# KiCad board panel.kicad_pcb
title: SMPBR - Fluorometer LED 10W; date: 2024-11-22; rev: ${VERSION}; company: TrendBit s.r.o.; note: Designed by: Petr Malaník
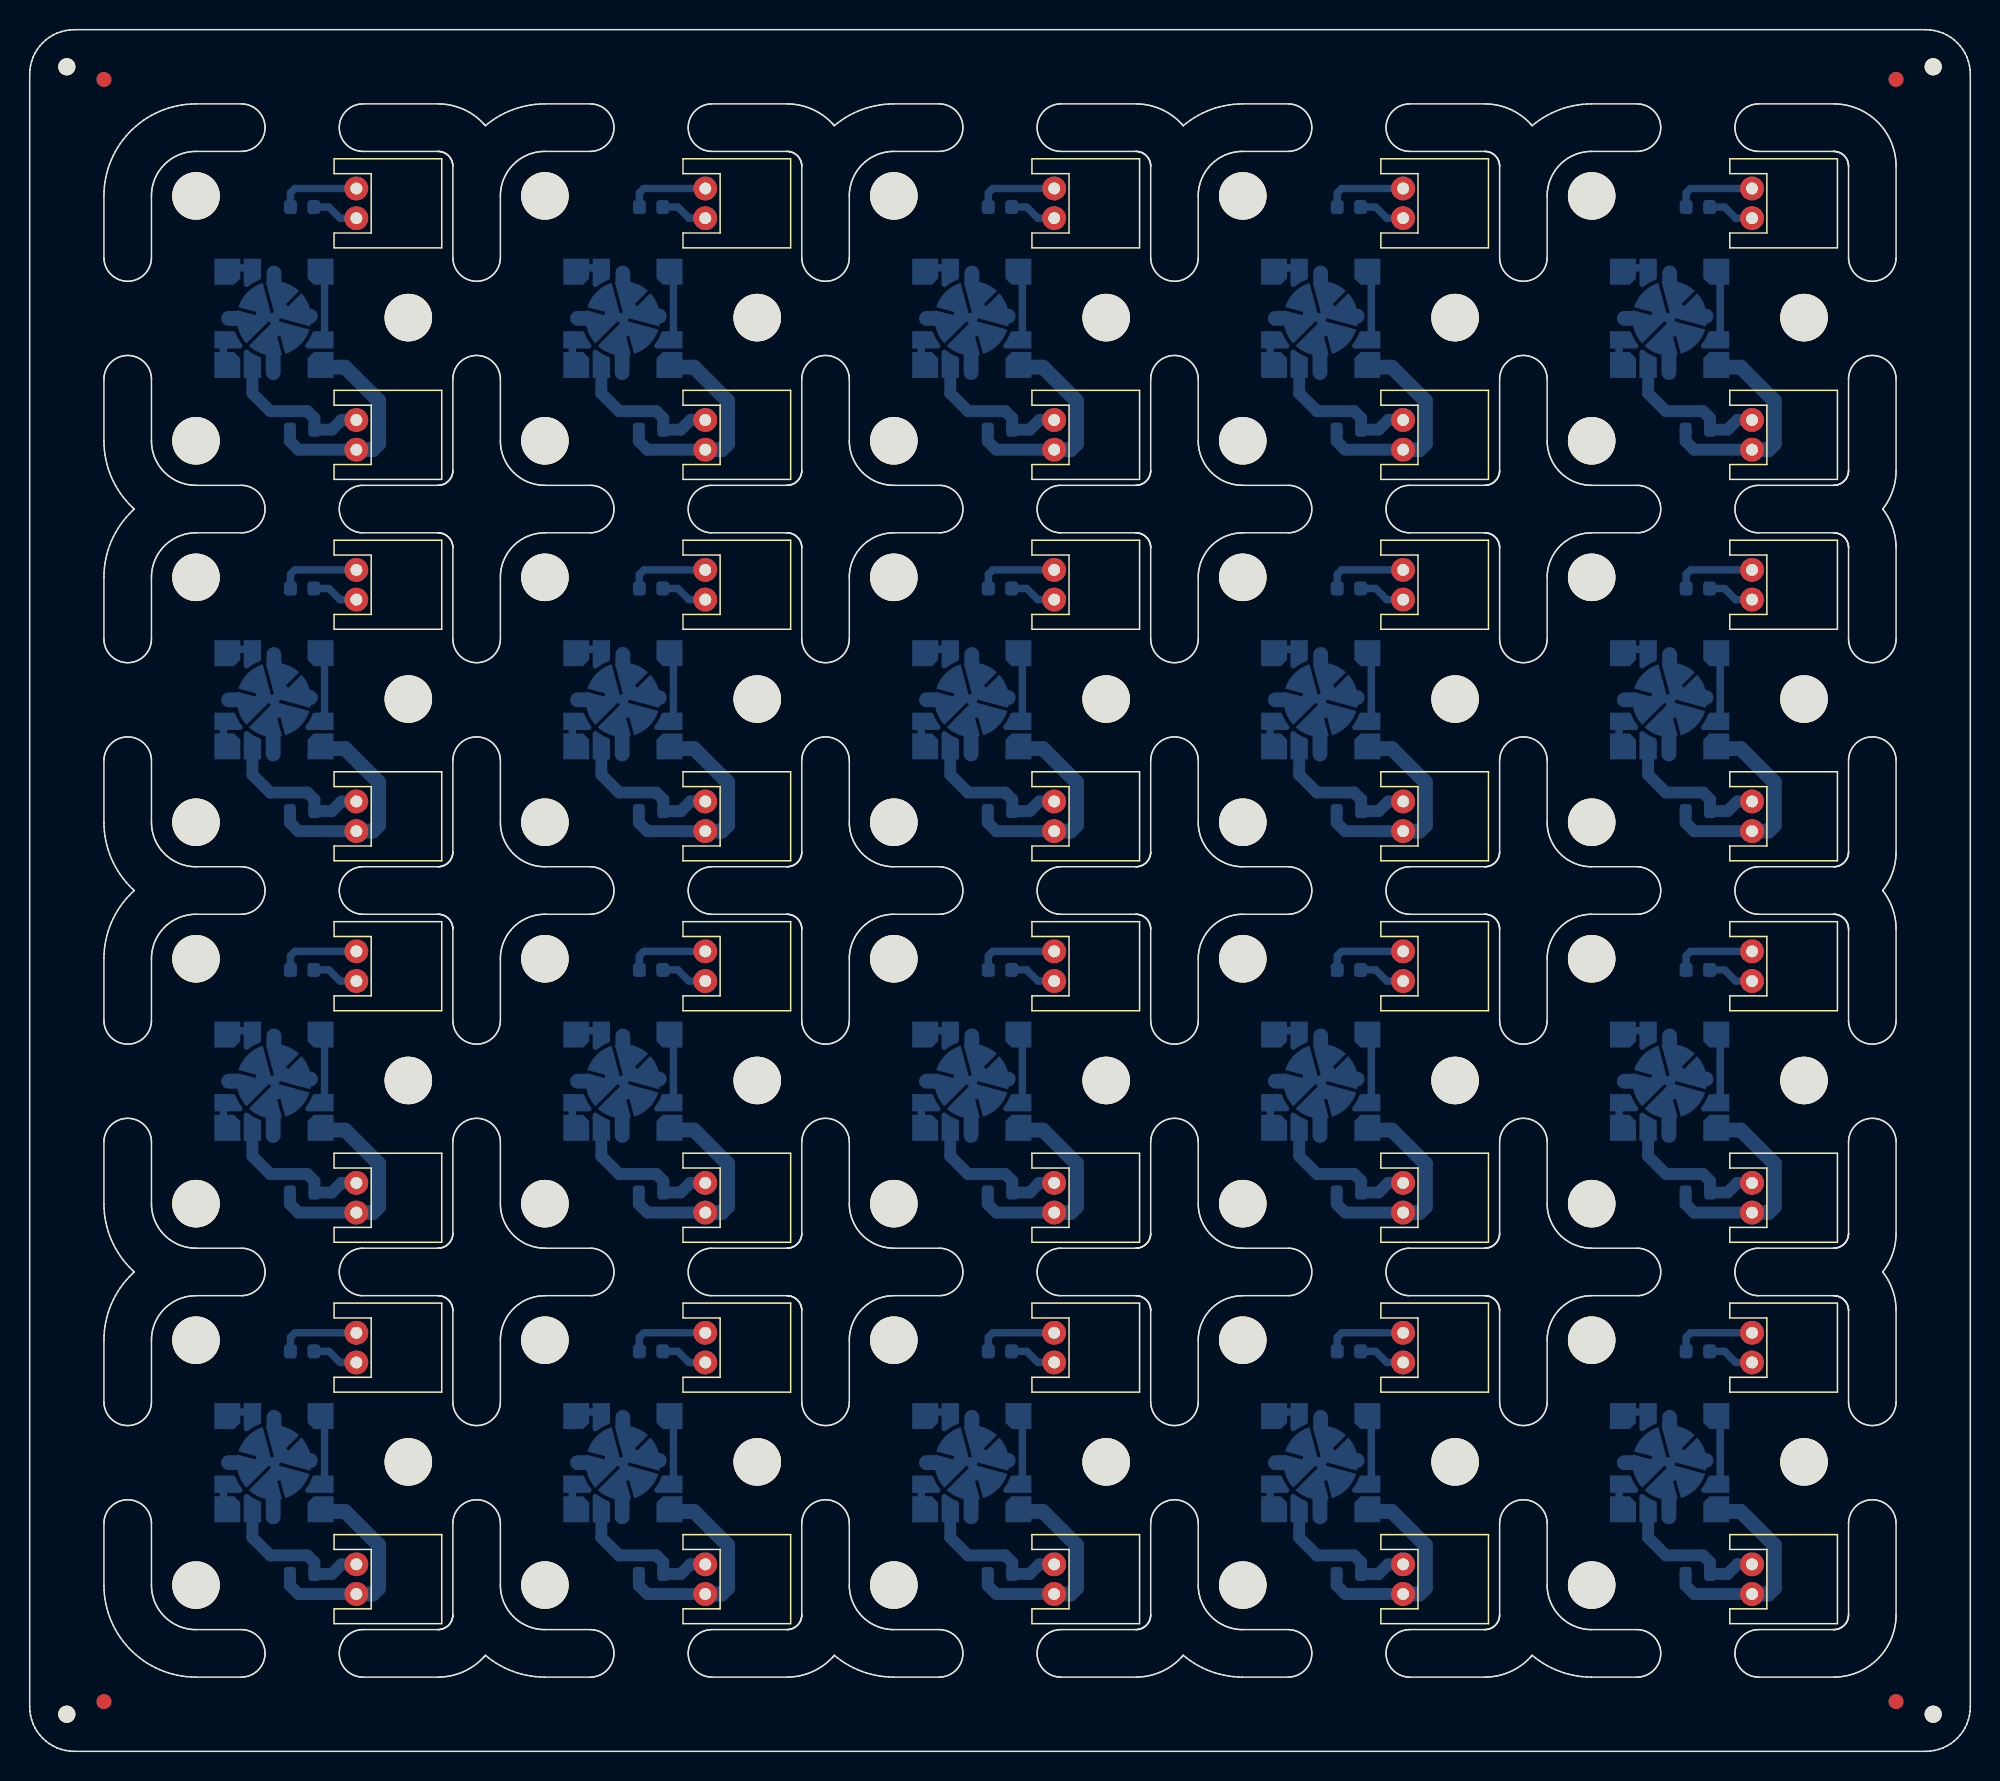
[diagram p0: board, top side]
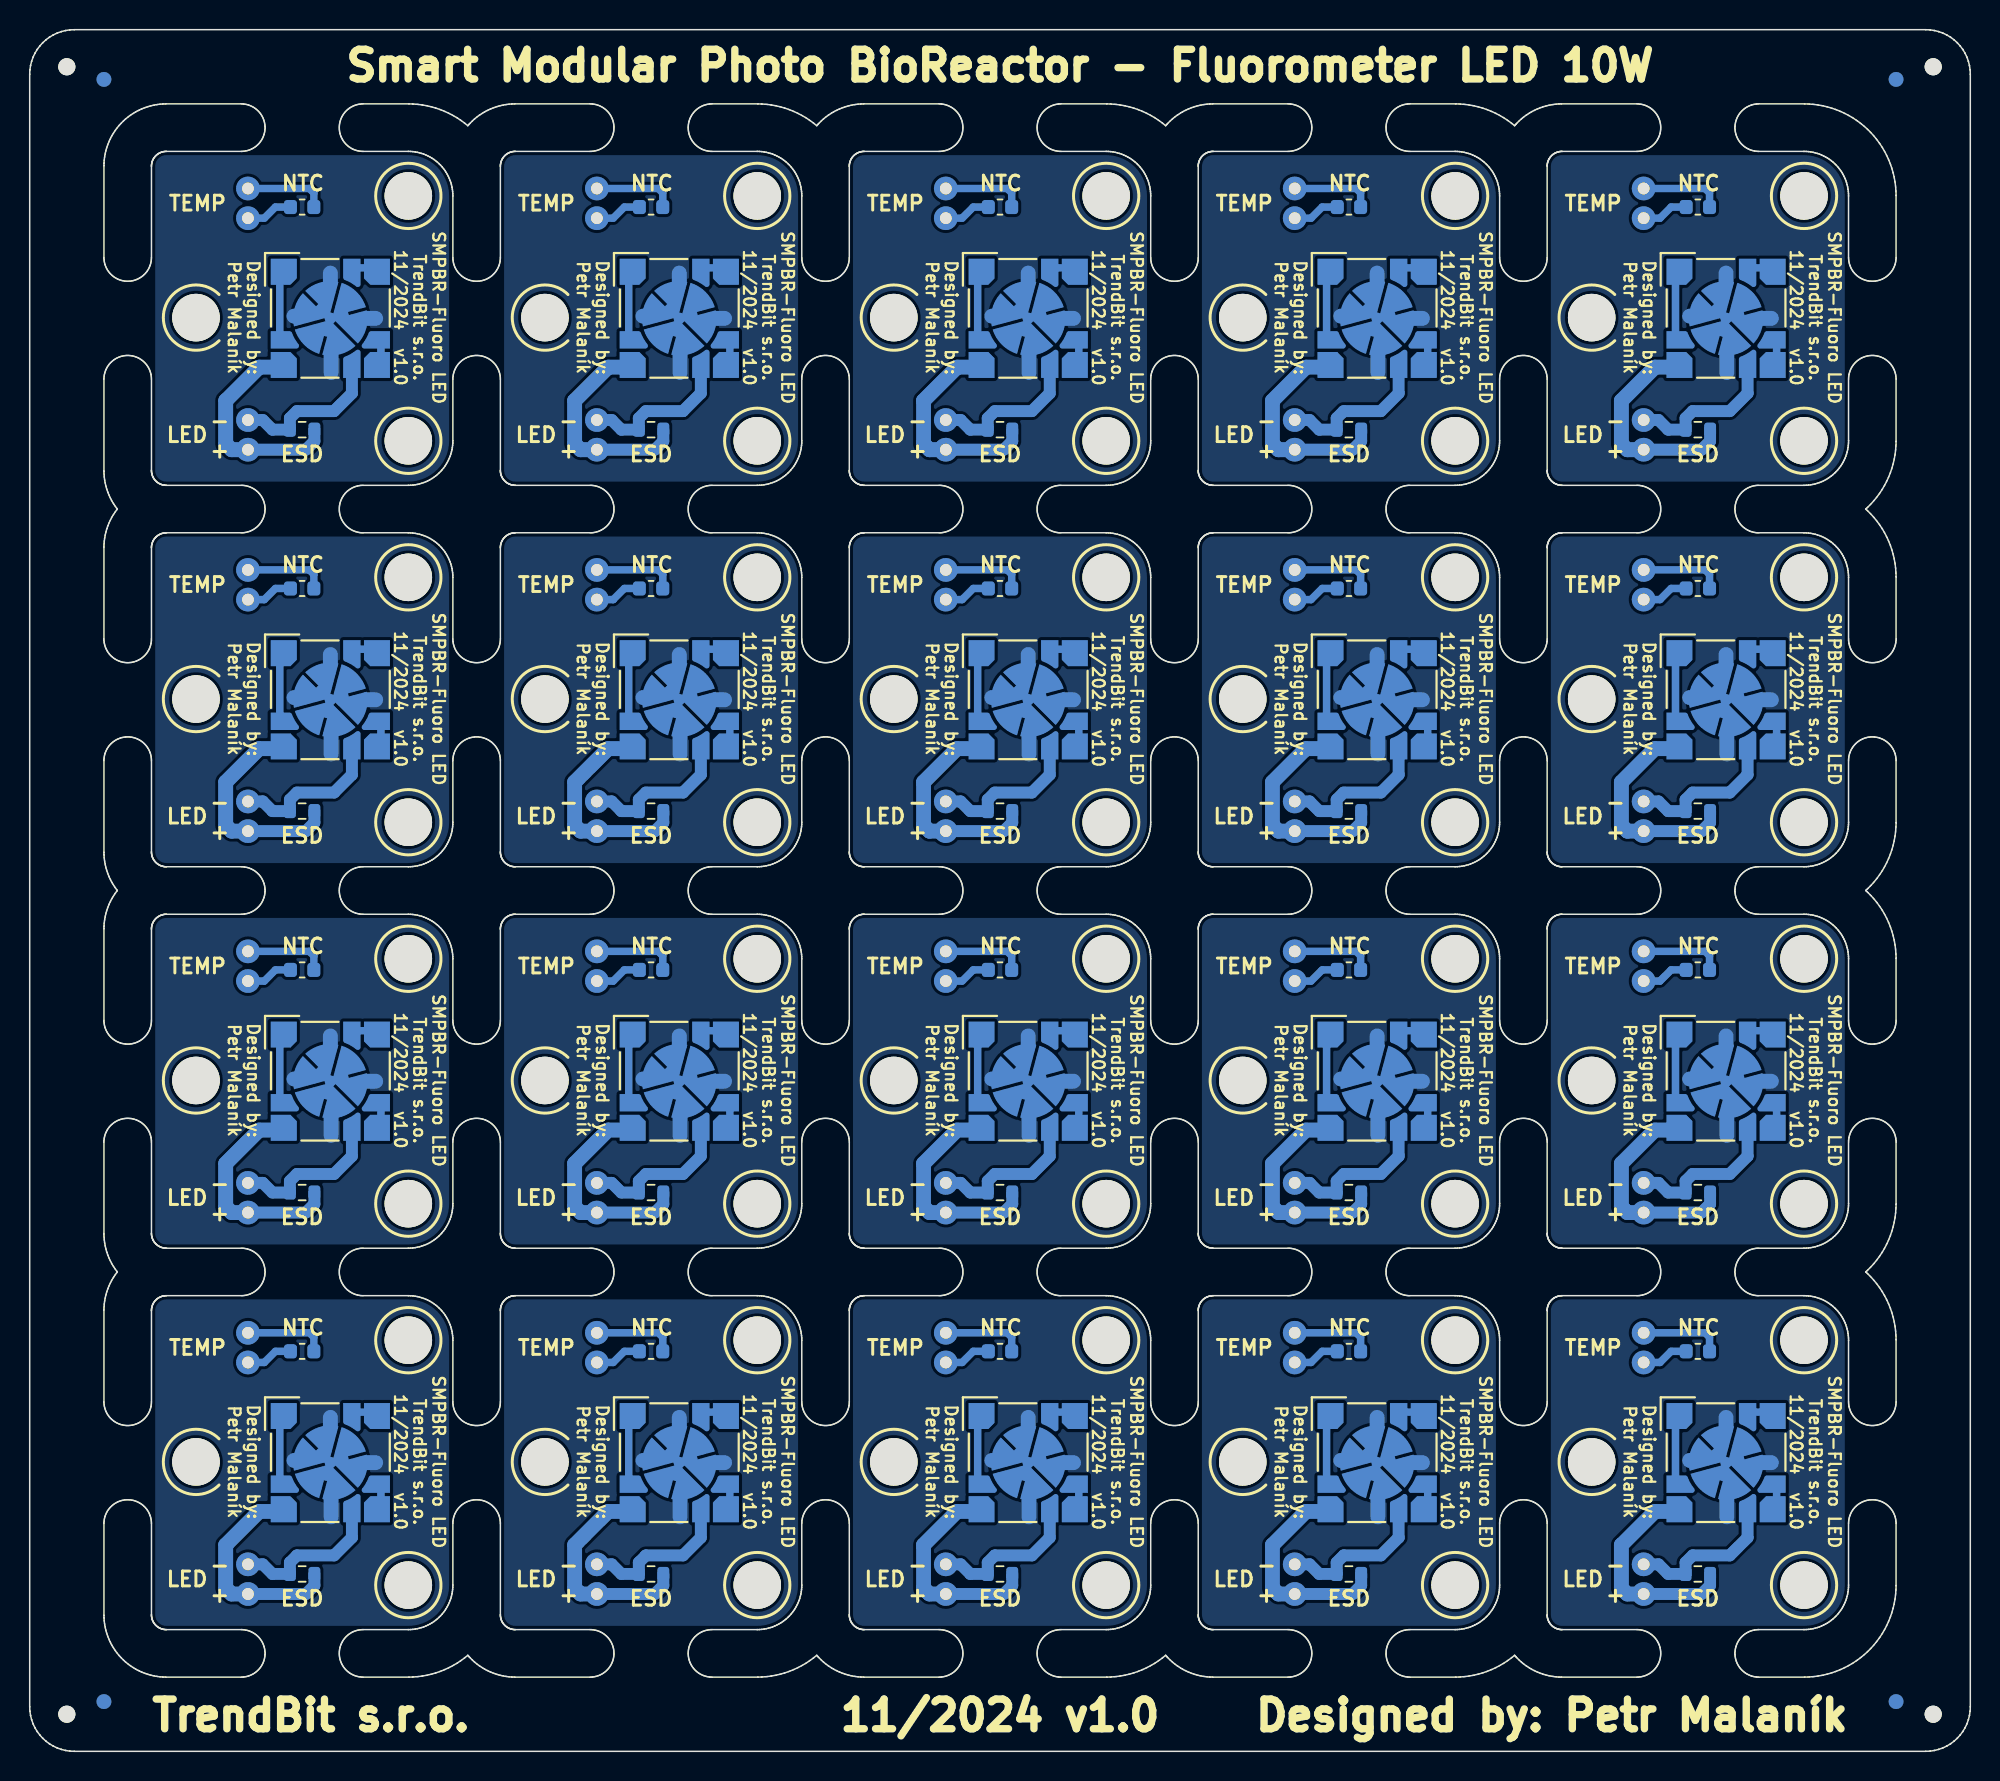
[diagram p1: board, bottom side, seen from below]

Outline 130.7 x 116 mm; copper layers: Top, Bottom. Coordinates in mm from the lower left corner of the outline.
Stack: Top 0.035mm / dielectric 1.51mm FR4 er 4.5 / Bottom 0.035mm

## Placement (name value [footprint] x y rotation side)
D1  LZ4-00G108  [OSRAM_LZ4-00]  86.95 96.55 90 bottom
D1#2  LZ4-00G108  [OSRAM_LZ4-00]  39.95 45.15 90 bottom
D1#3  LZ4-00G108  [OSRAM_LZ4-00]  39.95 96.55 90 bottom
D1#4  LZ4-00G108  [OSRAM_LZ4-00]  63.45 19.45 90 bottom
D1#5  LZ4-00G108  [OSRAM_LZ4-00]  86.95 70.85 90 bottom
D1#6  LZ4-00G108  [OSRAM_LZ4-00]  110.45 70.85 90 bottom
D1#7  LZ4-00G108  [OSRAM_LZ4-00]  110.45 96.55 90 bottom
D1#8  LZ4-00G108  [OSRAM_LZ4-00]  63.45 45.15 90 bottom
D1#9  LZ4-00G108  [OSRAM_LZ4-00]  16.45 45.15 90 bottom
D1#10  LZ4-00G108  [OSRAM_LZ4-00]  16.45 19.45 90 bottom
D1#11  LZ4-00G108  [OSRAM_LZ4-00]  86.95 19.45 90 bottom
D1#12  LZ4-00G108  [OSRAM_LZ4-00]  63.45 70.85 90 bottom
D1#13  LZ4-00G108  [OSRAM_LZ4-00]  39.95 70.85 90 bottom
D1#14  LZ4-00G108  [OSRAM_LZ4-00]  86.95 45.15 90 bottom
D1#15  LZ4-00G108  [OSRAM_LZ4-00]  16.45 70.85 90 bottom
D1#16  LZ4-00G108  [OSRAM_LZ4-00]  110.45 19.45 90 bottom
D1#17  LZ4-00G108  [OSRAM_LZ4-00]  110.45 45.15 90 bottom
D1#18  LZ4-00G108  [OSRAM_LZ4-00]  63.45 96.55 90 bottom
D1#19  LZ4-00G108  [OSRAM_LZ4-00]  16.45 96.55 90 bottom
D1#20  LZ4-00G108  [OSRAM_LZ4-00]  39.95 19.45 90 bottom
D2  24V/15kV  [R_0603_1608Metric]  88.85 37.65 180 bottom
D2#2  24V/15kV  [R_0603_1608Metric]  112.35 11.95 180 bottom
D2#3  24V/15kV  [R_0603_1608Metric]  18.35 11.95 180 bottom
D2#4  24V/15kV  [R_0603_1608Metric]  65.35 37.65 180 bottom
D2#5  24V/15kV  [R_0603_1608Metric]  112.35 37.65 180 bottom
D2#6  24V/15kV  [R_0603_1608Metric]  88.85 11.95 180 bottom
D2#7  24V/15kV  [R_0603_1608Metric]  88.85 89.05 180 bottom
D2#8  24V/15kV  [R_0603_1608Metric]  112.35 89.05 180 bottom
D2#9  24V/15kV  [R_0603_1608Metric]  41.85 11.95 180 bottom
D2#10  24V/15kV  [R_0603_1608Metric]  18.35 89.05 180 bottom
D2#11  24V/15kV  [R_0603_1608Metric]  65.35 11.95 180 bottom
D2#12  24V/15kV  [R_0603_1608Metric]  65.35 63.35 180 bottom
D2#13  24V/15kV  [R_0603_1608Metric]  41.85 63.35 180 bottom
D2#14  24V/15kV  [R_0603_1608Metric]  65.35 89.05 180 bottom
D2#15  24V/15kV  [R_0603_1608Metric]  41.85 37.65 180 bottom
D2#16  24V/15kV  [R_0603_1608Metric]  18.35 37.65 180 bottom
D2#17  24V/15kV  [R_0603_1608Metric]  88.85 63.35 180 bottom
D2#18  24V/15kV  [R_0603_1608Metric]  41.85 89.05 180 bottom
D2#19  24V/15kV  [R_0603_1608Metric]  18.35 63.35 180 bottom
D2#20  24V/15kV  [R_0603_1608Metric]  112.35 63.35 180 bottom
J1  DF3A-2P-2DS  [Hirose_DF3A-02P-2DS_1x02_P2.00mm_Horizontal]  71.5 27.2 90 top
J1#2  DF3A-2P-2DS  [Hirose_DF3A-02P-2DS_1x02_P2.00mm_Horizontal]  71.5 52.9 90 top
J1#3  DF3A-2P-2DS  [Hirose_DF3A-02P-2DS_1x02_P2.00mm_Horizontal]  95 27.2 90 top
J1#4  DF3A-2P-2DS  [Hirose_DF3A-02P-2DS_1x02_P2.00mm_Horizontal]  48 27.2 90 top
J1#5  DF3A-2P-2DS  [Hirose_DF3A-02P-2DS_1x02_P2.00mm_Horizontal]  118.5 78.6 90 top
J1#6  DF3A-2P-2DS  [Hirose_DF3A-02P-2DS_1x02_P2.00mm_Horizontal]  24.5 27.2 90 top
J1#7  DF3A-2P-2DS  [Hirose_DF3A-02P-2DS_1x02_P2.00mm_Horizontal]  24.5 78.6 90 top
J1#8  DF3A-2P-2DS  [Hirose_DF3A-02P-2DS_1x02_P2.00mm_Horizontal]  71.5 78.6 90 top
J1#9  DF3A-2P-2DS  [Hirose_DF3A-02P-2DS_1x02_P2.00mm_Horizontal]  71.5 104.3 90 top
J1#10  DF3A-2P-2DS  [Hirose_DF3A-02P-2DS_1x02_P2.00mm_Horizontal]  48 52.9 90 top
J1#11  DF3A-2P-2DS  [Hirose_DF3A-02P-2DS_1x02_P2.00mm_Horizontal]  118.5 104.3 90 top
J1#12  DF3A-2P-2DS  [Hirose_DF3A-02P-2DS_1x02_P2.00mm_Horizontal]  24.5 52.9 90 top
J1#13  DF3A-2P-2DS  [Hirose_DF3A-02P-2DS_1x02_P2.00mm_Horizontal]  24.5 104.3 90 top
J1#14  DF3A-2P-2DS  [Hirose_DF3A-02P-2DS_1x02_P2.00mm_Horizontal]  48 104.3 90 top
J1#15  DF3A-2P-2DS  [Hirose_DF3A-02P-2DS_1x02_P2.00mm_Horizontal]  95 104.3 90 top
J1#16  DF3A-2P-2DS  [Hirose_DF3A-02P-2DS_1x02_P2.00mm_Horizontal]  95 78.6 90 top
J1#17  DF3A-2P-2DS  [Hirose_DF3A-02P-2DS_1x02_P2.00mm_Horizontal]  95 52.9 90 top
J1#18  DF3A-2P-2DS  [Hirose_DF3A-02P-2DS_1x02_P2.00mm_Horizontal]  118.5 52.9 90 top
J1#19  DF3A-2P-2DS  [Hirose_DF3A-02P-2DS_1x02_P2.00mm_Horizontal]  118.5 27.2 90 top
J1#20  DF3A-2P-2DS  [Hirose_DF3A-02P-2DS_1x02_P2.00mm_Horizontal]  48 78.6 90 top
J3  DF3A-2P-2DS  [Hirose_DF3A-02P-2DS_1x02_P2.00mm_Horizontal]  71.5 88.7 90 top
J3#2  DF3A-2P-2DS  [Hirose_DF3A-02P-2DS_1x02_P2.00mm_Horizontal]  95 63 90 top
J3#3  DF3A-2P-2DS  [Hirose_DF3A-02P-2DS_1x02_P2.00mm_Horizontal]  48 88.7 90 top
J3#4  DF3A-2P-2DS  [Hirose_DF3A-02P-2DS_1x02_P2.00mm_Horizontal]  24.5 63 90 top
J3#5  DF3A-2P-2DS  [Hirose_DF3A-02P-2DS_1x02_P2.00mm_Horizontal]  24.5 37.3 90 top
J3#6  DF3A-2P-2DS  [Hirose_DF3A-02P-2DS_1x02_P2.00mm_Horizontal]  118.5 37.3 90 top
J3#7  DF3A-2P-2DS  [Hirose_DF3A-02P-2DS_1x02_P2.00mm_Horizontal]  48 63 90 top
J3#8  DF3A-2P-2DS  [Hirose_DF3A-02P-2DS_1x02_P2.00mm_Horizontal]  71.5 63 90 top
J3#9  DF3A-2P-2DS  [Hirose_DF3A-02P-2DS_1x02_P2.00mm_Horizontal]  95 37.3 90 top
J3#10  DF3A-2P-2DS  [Hirose_DF3A-02P-2DS_1x02_P2.00mm_Horizontal]  95 11.6 90 top
J3#11  DF3A-2P-2DS  [Hirose_DF3A-02P-2DS_1x02_P2.00mm_Horizontal]  71.5 11.6 90 top
J3#12  DF3A-2P-2DS  [Hirose_DF3A-02P-2DS_1x02_P2.00mm_Horizontal]  95 88.7 90 top
J3#13  DF3A-2P-2DS  [Hirose_DF3A-02P-2DS_1x02_P2.00mm_Horizontal]  71.5 37.3 90 top
J3#14  DF3A-2P-2DS  [Hirose_DF3A-02P-2DS_1x02_P2.00mm_Horizontal]  24.5 11.6 90 top
J3#15  DF3A-2P-2DS  [Hirose_DF3A-02P-2DS_1x02_P2.00mm_Horizontal]  48 37.3 90 top
J3#16  DF3A-2P-2DS  [Hirose_DF3A-02P-2DS_1x02_P2.00mm_Horizontal]  118.5 63 90 top
J3#17  DF3A-2P-2DS  [Hirose_DF3A-02P-2DS_1x02_P2.00mm_Horizontal]  48 11.6 90 top
J3#18  DF3A-2P-2DS  [Hirose_DF3A-02P-2DS_1x02_P2.00mm_Horizontal]  24.5 88.7 90 top
J3#19  DF3A-2P-2DS  [Hirose_DF3A-02P-2DS_1x02_P2.00mm_Horizontal]  118.5 11.6 90 top
J3#20  DF3A-2P-2DS  [Hirose_DF3A-02P-2DS_1x02_P2.00mm_Horizontal]  118.5 88.7 90 top
KiKit_FID_B_1  -  [Fiducial]  5 112.65 0 bottom
KiKit_FID_B_2  -  [Fiducial]  125.7 112.65 0 bottom
KiKit_FID_B_3  -  [Fiducial]  5 3.35 0 bottom
KiKit_FID_B_4  -  [Fiducial]  125.7 3.35 0 bottom
KiKit_FID_T_1  -  [Fiducial]  5 112.65 0 top
KiKit_FID_T_2  -  [Fiducial]  125.7 112.65 0 top
KiKit_FID_T_3  -  [Fiducial]  5 3.35 0 top
KiKit_FID_T_4  -  [Fiducial]  125.7 3.35 0 top
KiKit_TO_1  -  [NPTH]  2.5 113.5 0 top
KiKit_TO_2  -  [NPTH]  128.2 113.5 0 top
KiKit_TO_3  -  [NPTH]  2.5 2.5 0 top
KiKit_TO_4  -  [NPTH]  128.2 2.5 0 top
MK1  M2.5  [MountingHole_3.2mm_M3]  105.2 88.3 0 top
MK1#2  M2.5  [MountingHole_3.2mm_M3]  58.2 11.2 0 top
MK1#3  M2.5  [MountingHole_3.2mm_M3]  81.7 88.3 0 top
MK1#4  M2.5  [MountingHole_3.2mm_M3]  58.2 36.9 0 top
MK1#5  M2.5  [MountingHole_3.2mm_M3]  58.2 88.3 0 top
MK1#6  M2.5  [MountingHole_3.2mm_M3]  81.7 62.6 0 top
MK1#7  M2.5  [MountingHole_3.2mm_M3]  81.7 36.9 0 top
MK1#8  M2.5  [MountingHole_3.2mm_M3]  58.2 62.6 0 top
MK1#9  M2.5  [MountingHole_3.2mm_M3]  34.7 62.6 0 top
MK1#10  M2.5  [MountingHole_3.2mm_M3]  34.7 88.3 0 top
MK1#11  M2.5  [MountingHole_3.2mm_M3]  11.2 36.9 0 top
MK1#12  M2.5  [MountingHole_3.2mm_M3]  81.7 11.2 0 top
MK1#13  M2.5  [MountingHole_3.2mm_M3]  11.2 62.6 0 top
MK1#14  M2.5  [MountingHole_3.2mm_M3]  105.2 36.9 0 top
MK1#15  M2.5  [MountingHole_3.2mm_M3]  34.7 36.9 0 top
MK1#16  M2.5  [MountingHole_3.2mm_M3]  11.2 11.2 0 top
MK1#17  M2.5  [MountingHole_3.2mm_M3]  34.7 11.2 0 top
MK1#18  M2.5  [MountingHole_3.2mm_M3]  11.2 88.3 0 top
MK1#19  M2.5  [MountingHole_3.2mm_M3]  105.2 11.2 0 top
MK1#20  M2.5  [MountingHole_3.2mm_M3]  105.2 62.6 0 top
MK2  M2.5  [MountingHole_3.2mm_M3]  58.2 104.8 0 top
MK2#2  M2.5  [MountingHole_3.2mm_M3]  11.2 53.4 0 top
MK2#3  M2.5  [MountingHole_3.2mm_M3]  58.2 27.7 0 top
MK2#4  M2.5  [MountingHole_3.2mm_M3]  81.7 53.4 0 top
MK2#5  M2.5  [MountingHole_3.2mm_M3]  34.7 27.7 0 top
MK2#6  M2.5  [MountingHole_3.2mm_M3]  105.2 53.4 0 top
MK2#7  M2.5  [MountingHole_3.2mm_M3]  81.7 104.8 0 top
MK2#8  M2.5  [MountingHole_3.2mm_M3]  11.2 104.8 0 top
MK2#9  M2.5  [MountingHole_3.2mm_M3]  11.2 79.1 0 top
MK2#10  M2.5  [MountingHole_3.2mm_M3]  58.2 79.1 0 top
MK2#11  M2.5  [MountingHole_3.2mm_M3]  105.2 79.1 0 top
MK2#12  M2.5  [MountingHole_3.2mm_M3]  34.7 104.8 0 top
MK2#13  M2.5  [MountingHole_3.2mm_M3]  34.7 79.1 0 top
MK2#14  M2.5  [MountingHole_3.2mm_M3]  105.2 104.8 0 top
MK2#15  M2.5  [MountingHole_3.2mm_M3]  34.7 53.4 0 top
MK2#16  M2.5  [MountingHole_3.2mm_M3]  81.7 27.7 0 top
MK2#17  M2.5  [MountingHole_3.2mm_M3]  105.2 27.7 0 top
MK2#18  M2.5  [MountingHole_3.2mm_M3]  81.7 79.1 0 top
MK2#19  M2.5  [MountingHole_3.2mm_M3]  58.2 53.4 0 top
MK2#20  M2.5  [MountingHole_3.2mm_M3]  11.2 27.7 0 top
MK3  M2.5  [MountingHole_3.2mm_M3]  96 19.5 0 top
MK3#2  M2.5  [MountingHole_3.2mm_M3]  25.5 19.5 0 top
MK3#3  M2.5  [MountingHole_3.2mm_M3]  49 45.2 0 top
MK3#4  M2.5  [MountingHole_3.2mm_M3]  49 19.5 0 top
MK3#5  M2.5  [MountingHole_3.2mm_M3]  25.5 45.2 0 top
MK3#6  M2.5  [MountingHole_3.2mm_M3]  72.5 45.2 0 top
MK3#7  M2.5  [MountingHole_3.2mm_M3]  119.5 70.9 0 top
MK3#8  M2.5  [MountingHole_3.2mm_M3]  119.5 19.5 0 top
MK3#9  M2.5  [MountingHole_3.2mm_M3]  96 70.9 0 top
MK3#10  M2.5  [MountingHole_3.2mm_M3]  72.5 96.6 0 top
MK3#11  M2.5  [MountingHole_3.2mm_M3]  72.5 19.5 0 top
MK3#12  M2.5  [MountingHole_3.2mm_M3]  25.5 70.9 0 top
MK3#13  M2.5  [MountingHole_3.2mm_M3]  96 96.6 0 top
MK3#14  M2.5  [MountingHole_3.2mm_M3]  96 45.2 0 top
MK3#15  M2.5  [MountingHole_3.2mm_M3]  72.5 70.9 0 top
MK3#16  M2.5  [MountingHole_3.2mm_M3]  49 70.9 0 top
MK3#17  M2.5  [MountingHole_3.2mm_M3]  49 96.6 0 top
MK3#18  M2.5  [MountingHole_3.2mm_M3]  119.5 45.2 0 top
MK3#19  M2.5  [MountingHole_3.2mm_M3]  25.5 96.6 0 top
MK3#20  M2.5  [MountingHole_3.2mm_M3]  119.5 96.6 0 top
TH1  10k, 3950b  [L_0603_1608Metric]  18.35 26.95 180 bottom
TH1#2  10k, 3950b  [L_0603_1608Metric]  41.85 52.65 180 bottom
TH1#3  10k, 3950b  [L_0603_1608Metric]  88.85 104.05 180 bottom
TH1#4  10k, 3950b  [L_0603_1608Metric]  88.85 52.65 180 bottom
TH1#5  10k, 3950b  [L_0603_1608Metric]  88.85 78.35 180 bottom
TH1#6  10k, 3950b  [L_0603_1608Metric]  18.35 78.35 180 bottom
TH1#7  10k, 3950b  [L_0603_1608Metric]  65.35 78.35 180 bottom
TH1#8  10k, 3950b  [L_0603_1608Metric]  65.35 26.95 180 bottom
TH1#9  10k, 3950b  [L_0603_1608Metric]  65.35 52.65 180 bottom
TH1#10  10k, 3950b  [L_0603_1608Metric]  112.35 26.95 180 bottom
TH1#11  10k, 3950b  [L_0603_1608Metric]  112.35 52.65 180 bottom
TH1#12  10k, 3950b  [L_0603_1608Metric]  41.85 26.95 180 bottom
TH1#13  10k, 3950b  [L_0603_1608Metric]  18.35 52.65 180 bottom
TH1#14  10k, 3950b  [L_0603_1608Metric]  65.35 104.05 180 bottom
TH1#15  10k, 3950b  [L_0603_1608Metric]  112.35 78.35 180 bottom
TH1#16  10k, 3950b  [L_0603_1608Metric]  88.85 26.95 180 bottom
TH1#17  10k, 3950b  [L_0603_1608Metric]  41.85 78.35 180 bottom
TH1#18  10k, 3950b  [L_0603_1608Metric]  41.85 104.05 180 bottom
TH1#19  10k, 3950b  [L_0603_1608Metric]  18.35 104.05 180 bottom
TH1#20  10k, 3950b  [L_0603_1608Metric]  112.35 104.05 180 bottom

## Library data of the parts
D1 D1#2-D1#20 = -: Description: High power LED with ceramic package and glass lens; MPN: LZ4-00G108-0000; Link: https://cz.mouser.com/ProductDetail/ams-OSRAM/LZ4-00G108-0000?qs=hWgE7mdIu5QnLGO5jnNJxw%3D%3D
D2 D2#2-D2#20 = -: Description: Bidirectional transient-voltage-suppression diode; MPN: 82356240030; Link: https://cz.mouser.com/ProductDetail/Wurth-Elektronik/82356240030?qs=zPgndZZmKGYLjaRA9SrbtA%3D%3D
J1 J1#2-J1#20 J3 J3#2-J3#20 = -: Description: Generic connector, single row, 01x02, script generated (kicad-library-utils/schlib/autogen/connector/); LCSC: C531024
TH1 TH1#2-TH1#20 = -: Description: Temperature dependent resistor, negative temperature coefficient; LCSC: C279936; MPN: SDNT1608X103F3950FTF

## Footprints (pads in the part's own frame, mm; a bottom-side part is the same pattern mirrored in y, then rotated)
Fiducial
  round 1 smd: (0,0)
Hirose_DF3A-02P-2DS_1x02_P2.00mm_Horizontal
  round 1.6 hole 0.8: 1(-1,2.5) 2(1,2.5)
L_0603_1608Metric
  rrect 0.875x0.95 smd: 1(-0.787,0) 2(0.787,0)
MountingHole_3.2mm_M3
  round 3.2 hole 3.2 unplated: (0,0)
NPTH
  round 1.152 hole 1.152 unplated: (0,0)
OSRAM_LZ4-00
  custom 1.75x1.75 smd: 1(-3.29,3.16) 3(3.14,3.31) 5(3.29,-3.16) 7(-3.14,-3.31)
  custom 1.17x1.902 smd: 2(-1.45,3.405) 6(-1.45,-3.405)
  custom 1.902x1.17 smd: 4(3.405,-1.45) 8(-3.405,-1.45)
  custom 5.014x5.015 smd: 9(0,0)
R_0603_1608Metric
  rrect 0.8x0.95 smd: 1(-0.825,0) 2(0.825,0)
